# KiCad board USB Keypad.kicad_pcb (continued)
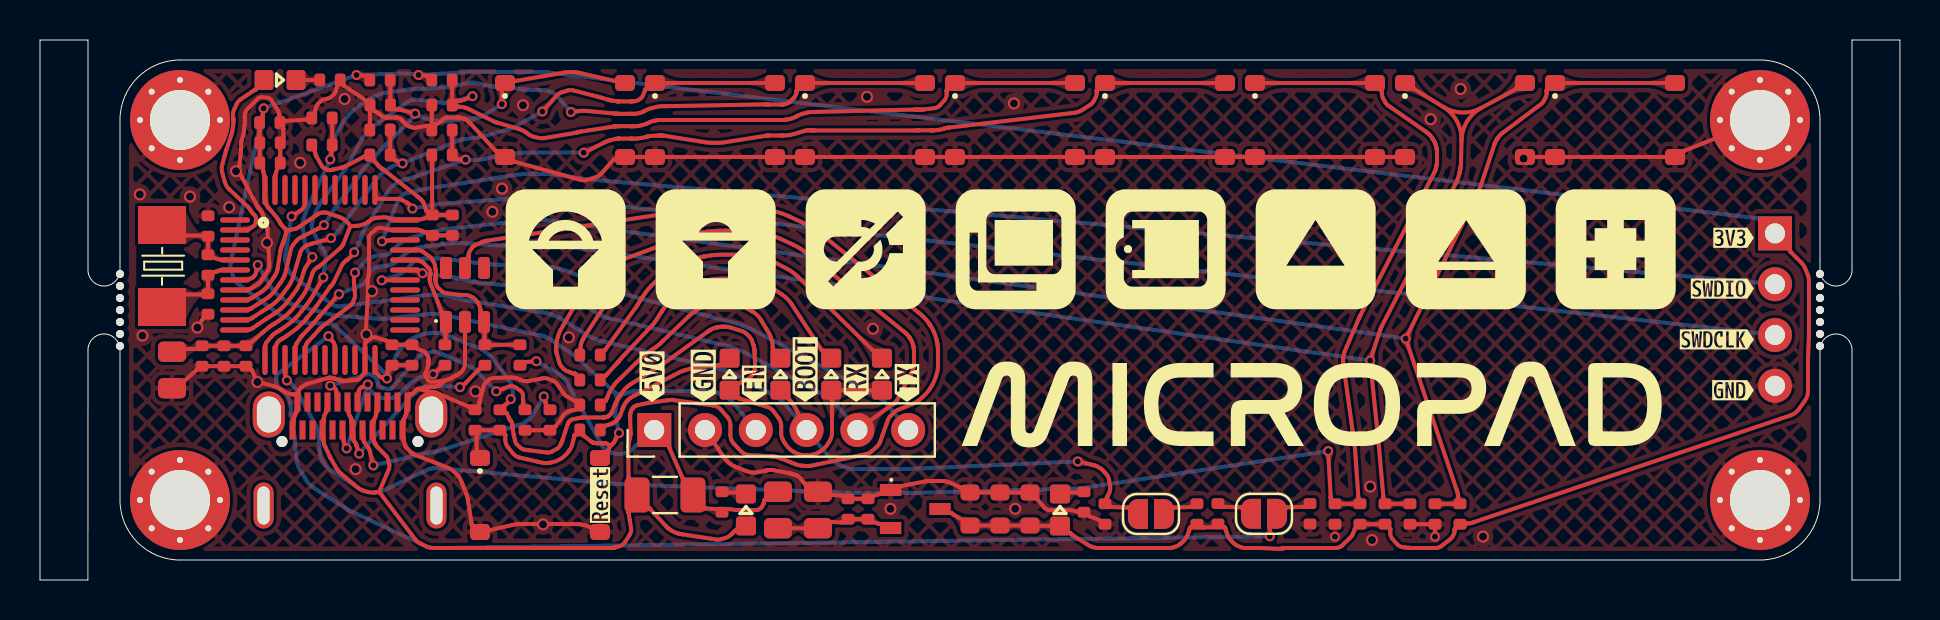
[diagram p0: board, top side]
## Routing (per net, layer and track width the routed paths; a pad name or vN(x,y) marks a point on that pad's centre or on a via; arc(x,y) is an arc through that point) (continued)
Net-(LED5-C): length 15.4
  Top w0.2: R12.1 28.27,10.21 arc(28.28,10.21) 28.28,10.21 arc(28.28,10.21) 28.28,10.21 28.28,10.21 arc(28.28,10.21) 28.28,10.22 28.29,10.22 arc(28.29,10.22) 28.29,10.22 arc(28.3,10.23) 28.3,10.23 arc(28.3,10.23) 28.3,10.23 28.33,10.27 arc(28.36,10.3) 28.4,10.34 28.75,10.73 arc(28.79,10.77) 28.83,10.82 28.86,10.85 arc(28.87,10.86) 28.88,10.87 28.89,10.88 arc(28.9,10.89) 28.9,10.89 28.92,10.91 arc(28.92,10.92) 28.93,10.92 28.98,10.99 arc(29.02,11.03) 29.05,11.08 29.13,11.16 arc(29.17,11.2) 29.21,11.25 30.51,12.62 30.59,12.71 arc(30.64,12.76) 30.68,12.81 30.75,12.91 arc(30.79,12.96) 30.82,13.01 31,13.3 arc(31.03,13.33) 31.05,13.37 31.07,13.4 arc(31.08,13.41) 31.09,13.42 31.09,13.43 arc(31.09,13.44) 31.1,13.44 arc(31.1,13.44) 31.1,13.44 31.21,13.61 arc(31.31,13.75) 31.43,13.87 31.67,14.12 arc(31.8,14.23) 31.94,14.34 32.1,14.45 arc(32.1,14.45) 32.11,14.45 arc(32.11,14.45) 32.11,14.45 32.28,14.56 arc(32.42,14.65) 32.57,14.72 32.89,14.85 arc(33.05,14.91) 33.21,14.95 33.42,14.99 arc(33.42,14.99) 33.43,14.99 33.53,15.02 arc(33.62,15.03) 33.7,15.04 33.87,15.06 arc(33.96,15.06) 34.04,15.07 34.92,15.07 arc(35,15.06) 35.09,15.06 35.26,15.04 arc(35.34,15.03) 35.43,15.02 35.88,14.92 arc(36.22,14.82) 36.52,14.66 37.11,14.27 arc(37.37,14.04) 37.59,13.77 37.98,13.18 39.08,11.51 arc(39.08,11.51) 39.08,11.5 arc(39.08,11.5) 39.08,11.5 39.08,11.5 arc(39.08,11.5) 39.08,11.5 39.09,11.5 arc(39.09,11.5) 39.09,11.5 LED5.1
Net-(LED6-K): length 7.7
  Top w0.2: LED6.1 33.99,10.74 arc(33.99,10.74) 33.98,10.74 arc(33.98,10.74) 33.98,10.74 arc(33.98,10.74) 33.98,10.74 33.97,10.74 arc(33.95,10.74) 33.94,10.74 33.91,10.73 arc(33.9,10.73) 33.89,10.73 arc(33.88,10.73) 33.86,10.73 32.78,10.62 arc(32.64,10.6) 32.49,10.56 32.21,10.48 arc(32.07,10.43) 31.93,10.36 31.67,10.23 29.68,9.2 29.59,9.15 arc(29.54,9.12) 29.5,9.09 29.42,9.02 arc(29.38,8.98) 29.35,8.94 29.26,8.83 arc(29.25,8.8) 29.23,8.78 29.21,8.73 arc(29.19,8.71) 29.18,8.68 29.18,8.66 arc(29.17,8.66) 29.17,8.65 arc(29.17,8.65) 29.17,8.65 29.15,8.6 arc(29.15,8.59) 29.14,8.59 arc(29.14,8.59) 29.14,8.58 29.14,8.58 arc(29.14,8.57) 29.13,8.56 29.13,8.55 arc(29.12,8.54) 29.12,8.54 arc(29.12,8.53) 29.12,8.52 29.02,8.26 arc(29.01,8.23) 28.99,8.21 28.97,8.16 arc(28.96,8.14) 28.94,8.12 28.93,8.11 arc(28.93,8.1) 28.92,8.09 arc(28.91,8.08) 28.9,8.07 28.89,8.04 arc(28.86,8.01) 28.83,7.98 28.77,7.93 arc(28.74,7.9) 28.7,7.88 28.63,7.84 arc(28.62,7.83) 28.6,7.82 28.56,7.8 arc(28.54,7.8) 28.52,7.79 28.28,7.71 arc(28.28,7.71) 28.27,7.71 R15.1
Net-(LED7-K): length 12.6
  Top w0.2: LED7.1 36.64,11.56 arc(36.64,11.56) 36.64,11.56 36.64,11.56 arc(36.64,11.57) 36.64,11.57 36.64,11.57 arc(36.64,11.57) 36.64,11.58 36.64,11.69 arc(36.63,11.8) 36.6,11.91 36.54,12.12 arc(36.5,12.23) 36.45,12.33 36.05,13.01 arc(35.87,13.24) 35.63,13.42 35.1,13.72 arc(34.83,13.83) 34.53,13.87 34.07,13.87 arc(34.02,13.86) 33.96,13.86 33.85,13.85 arc(33.79,13.84) 33.74,13.83 33.65,13.82 arc(33.65,13.81) 33.64,13.81 33.51,13.79 arc(33.4,13.76) 33.3,13.72 33.09,13.64 arc(32.99,13.59) 32.89,13.53 32.73,13.43 32.7,13.41 arc(32.66,13.38) 32.62,13.35 32.54,13.28 arc(32.51,13.25) 32.47,13.22 32.4,13.15 31.16,11.96 31.05,11.86 arc(30.99,11.8) 30.93,11.75 30.81,11.66 arc(30.75,11.61) 30.69,11.57 30.5,11.44 arc(30.41,11.38) 30.32,11.31 30.14,11.17 arc(30.05,11.09) 29.97,11.02 29.81,10.86 28.84,9.91 arc(28.77,9.83) 28.7,9.75 28.58,9.58 arc(28.53,9.49) 28.48,9.4 28.35,9.11 arc(28.34,9.1) 28.33,9.08 28.32,9.05 arc(28.31,9.03) 28.31,9.01 28.3,9 arc(28.3,8.99) 28.3,8.99 28.3,8.98 arc(28.29,8.98) 28.29,8.97 arc(28.29,8.97) 28.29,8.97 28.29,8.97 arc(28.28,8.96) 28.28,8.96 28.28,8.96 arc(28.28,8.96) 28.28,8.96 arc(28.28,8.96) 28.27,8.96 R16.1
Net-(U1-PD0-OSC_IN): length 4.7
  Top w0.2: U1.5 9.12,16 arc(9.1,16) 9.08,16 9.05,16.01 arc(9.03,16.01) 9.02,16.01 8.86,16.06 arc(8.72,16.11) 8.58,16.17 8.48,16.22 arc(8.42,16.27) 8.4,16.35 8.4,17.1 arc(8.38,17.17) 8.32,17.2 8.23,17.22 arc(8.18,17.22) 8.13,17.23 7.25,17.23 arc(7.2,17.23) 7.15,17.25 U2.2
Net-(U1-PD1-OSC_OUT): length 4.8
  Top w0.2: U1.6 9.11,15.5 arc(9.08,15.5) 9.06,15.49 9.01,15.48 arc(8.99,15.48) 8.96,15.47 8.94,15.46 arc(8.94,15.46) 8.93,15.46 8.91,15.45 arc(8.89,15.44) 8.88,15.44 8.84,15.42 arc(8.82,15.42) 8.8,15.42 8.75,15.41 arc(8.72,15.4) 8.68,15.38 8.48,15.28 arc(8.42,15.23) 8.4,15.15 8.4,14.4 arc(8.38,14.33) 8.32,14.3 8.23,14.28 arc(8.18,14.28) 8.13,14.28 7.25,14.28 arc(7.2,14.27) 7.16,14.25 U2.1

## Copper pours and planes (outline as drawn; the poured copper is in the pictures)
GND on Top, Bottom: 4,26 89,26 89,1 4,1

Small or netless copper shapes (teardrops, artwork), in the pictures only: 219 on Top, 65 on Bottom

## Text on the board
User.Drawings: 60% Failure rate due to shorts on usb c, solder wick fixed all failures | Caps Too Close to STM32
